# KiCad board ADHW.kicad_pcb (continued)
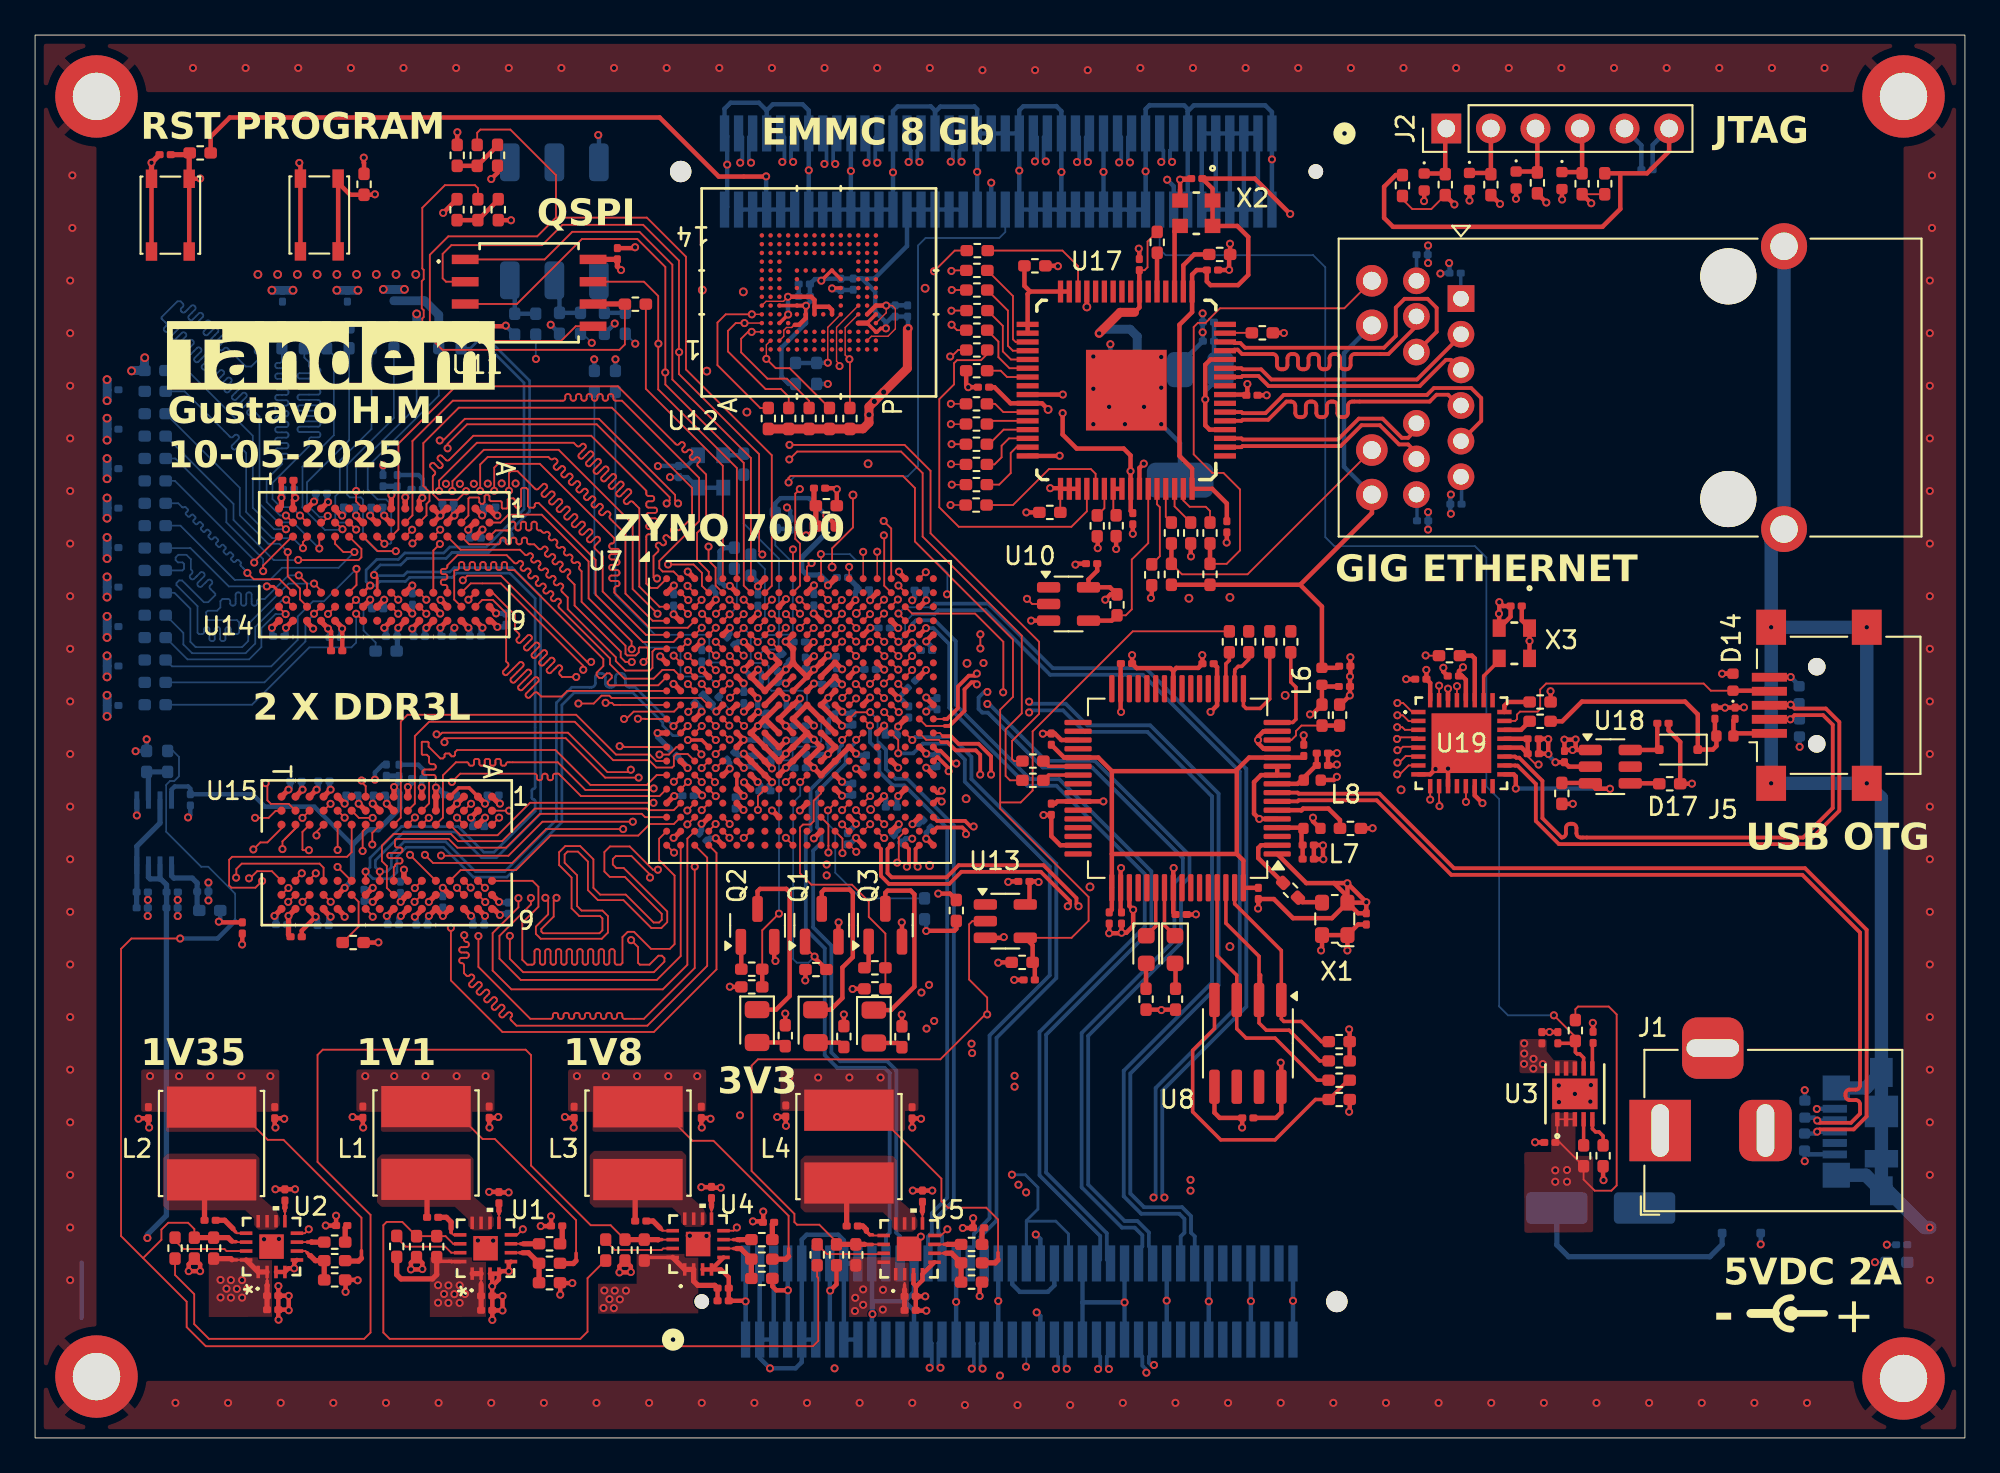
[diagram p0: board, top side]
## Routing (per net, layer and track width the routed paths; a pad name or vN(x,y) marks a point on that pad's centre or on a via; arc(x,y) is an arc through that point) (continued)
  Top w0.254: C103.1 58.14,36.17 58.27,36.3 U9.42 v1(60.89,36.3) ; v1(72.84,35.37) 72.84,35.16 73.16,34.84 73.16,34.76 ; v1(64.9,32.5) 64.88,32.47 U9.56 64.88,29.98 C104.1 ; C108.1 60.54,49.45 60.05,48.95 U10.5 60.05,48.51 61.27,48.51 R85.2 61.31,48.1 v1(61,47.8) ; v1(73.3,27.8) 73.35,27.85 X1.4 X1.1 ; v1(27.13,69.44) 27.12,69.44 R48.2 ; v1(61.9,32.5) 61.88,32.47 U9.50 61.88,30.02 C96.1 ; R29.1 v1(46.1,24.15) ; v1(58.57,58.44) 58.57,57.22 59.37,56.42 62.05,56.42 62.44,56.03 v1(62.44,55.13) 62.44,54.13 U17.57 62.45,52.86 C181.1 ; C106.1 67.38,43.95 U9.20 67.38,41.77 v1(67,41.4) ; C182.1 62.94,65.39 U17.23 62.95,64.47 62.67,64.19 ; R55.2 74.94,18.63 v1(74.9,18.6) ; v1(18.73,73.01) 18.73,72.73 18.75,72.72 R33.2 ; U17.41 v1(58.58,59.5) 58.59,59.49 ; 73.16,37.52 74.02,37.52 74.2,37.7 v1(74.2,37.7) ; v1(63.6,47.9) 63.65,47.95 R166.2 ; v1(57.2,31.7) 57.16,31.74 C117.1 56.68,30.66 U13.5 ; R28.2 77.56,72.02 76.89,71.35 76.89,69.57 77.4,69.07 89.34,69.07 90.36,70.08 90.36,72.12 ; R54.2 R53.2 74.93,23.27 v1(74.9,23.3) ; U19.21 85.06,39.87 C199.1 85.08,39.86 C197.1 84.73,39.36 U19.20 ; R94.1 49.41,24.13 v1(49.4,24.14) ; U12.F5 43.92,63.85 43.55,63.47 43.31,63.47 ; v1(50.79,28.91) 50.8,28.92 52.4,28.92 52.51,29.03 R32.2 ; R90.2 54.92,27.12 v1(54.9,27.1) ; X1.1 74.81,27.8 v1(74.8,27.8) ; X1.1 75.41,29.28 C92.1 ; R45.2 26.36,72.15 v1(26,71.79) ; 90.36,72.12 R30.2 ; 90.36,72.12 91.88,72.12 93.14,73.37 J2.6 ; R65.2 64.22,24.42 v1(64.2,24.4) 64.18,24.42 R58.2 ; 46.44,57.54 R84.2 ; C91.1 70.72,18.25 71.03,18.56 U8.8 71.03,21.36 v1(71,21.4) ; C105.1 61.88,44.14 U9.31 61.88,41.42 v1(61.9,41.4) ; R80.1 v1(42.76,24.2) ; v1(43.9,26.09) 43.91,26.1 R31.2
  Top w0.3: v1(49.2,36.61) 49.21,36.61 U7.T18 ; U7.Y20 50.83,34.17 v1(50.8,34.17) ; U11.8 31.81,67.21 C110.1 33.19,66.81 v1(33.4,66.6) ; v1(46.8,43.82) 46.4,43.42 U7.H14 ; U7.N6 40,39.42 v1(40.39,39.81) U7.M6 ; 54.89,10.14 54.73,9.98 R26.1 ; U7.F18 49.62,45 v1(50,45.37) ; v1(49.2,42.18) 49.2,42.2 U7.J17 ; v1(39.6,48.59) 39.61,48.59 U7.B6 ; v1(49.23,35) 49.2,35 U7.W17 ; v1(43.59,35.78) 44,36.19 U7.U11 ; U7.R15 46.83,38.17 v1(46.8,38.17) ; v1(39.59,41.4) 39.59,41.41 39.97,41.8 U7.K6 ; v1(46.8,35.02) 46.42,35.4 U7.V14 ; v1(50.8,39.02) 50.42,39.4 U7.N19 ; v1(42.8,34.22) 42.8,34.2 ; v1(50.8,47.77) 50.42,47.4 U7.C19 ; U7.M16 48.39,40.59 v1(48.39,40.62) ; v1(40.39,36.61) U7.T6 ; U12.M4 U12.N4 ; v1(40.39,34.22) 40.42,34.22 ; U7.K20 51.2,41.81 v1(50.8,42.22) ; v1(41.2,47) U7.D7
  Top w0.508: 46.44,57.54 47.19,57.54 47.53,57.89 v2(47.53,58.35) 47.53,58.8 v2(47.84,59.11) v2(48.37,59.64) 49.72,60.99 49.72,63.23 v1(49.77,63.27) ; R81.2 R79.2 R77.2 R82.2 R84.2 ; v1(60.65,62.99) 61.85,64.19 62.67,64.19
  In2.Cu w0.254: 58.57,59.49 v1(58.58,59.5) 58.61,59.53 ; 62.44,55.12 v1(62.44,55.13) ; 61.1,47.9 v1(61,47.8) ; 60.64,63 v1(60.65,62.99) ; 72.7,37.58 72.58,37.7
  In2.Cu w0.3: 49.2,35.03 v1(49.23,35) ; v2(47.62,35.83) 47.62,35.83 46.81,35.02 v1(46.8,35.02)
  In2.Cu w0.508: v1(44.81,65.99) 44.31,65.99 43.94,65.63 v1(43.94,64.56) 43.94,63.76 44.43,63.27 v1(48.5,63.27) v1(49.77,63.27) 49.97,63.27 50.38,62.87 50.38,61.19 50.78,60.79 53.63,60.79 54.91,59.5 v1(58.58,59.5) ; 62.44,55.12 63.6,53.96 v1(63.6,47.9) 61.1,47.9 ; v1(58.57,58.44) 58.57,59.49 ; 58.61,59.53 58.61,61.75 59.86,63 60.64,63
  In2.Cu w0.762: 72.7,37.58 72.7,35.51 v1(72.84,35.37) ; v2(47.62,35.83) 47.63,35.84 49.2,35.84 ; v1(74.2,37.7) 70.16,37.7 67,40.86 v1(67,41.4) 66.56,41.84 62.34,41.84 v1(61.9,41.4) 60.89,40.39 v1(60.89,36.3) 60.89,33.51 ; 60.89,33.51 v1(61.9,32.5) v1(64.9,32.5) 68.52,32.5 71.32,35.3 72.54,35.3 72.61,35.37 v1(72.84,35.37) ; 60.89,33.51 59.09,31.7 v1(57.2,31.7) ; 49.2,35.84 v1(49.2,36.61) 49.86,36.61 50.8,35.68 v1(50.8,34.17) ; 49.2,35.84 49.2,35.03 ; v1(72.84,35.37) 72.77,35.3 72.7,35.3 71.92,34.52 71.92,32.59 73.3,31.21 v1(73.3,27.8) v1(74.8,27.8) 74.8,23.4 v1(74.9,23.3) ; v1(54.9,27.1) 53.58,27.1 51.77,28.91 v1(50.79,28.91)
  In3.Cu w0.254: v1(32.1,74.3) 28.51,74.3 v1(26,71.79) ; v1(26,71.79) 24.79,73 18.75,73 v1(18.73,73.01) ; v1(26,71.79) 26,70.57 v1(27.13,69.44)
  In3.Cu w0.3: v1(43.94,64.56) 43.94,64.85 42.2,66.6 v1(33.4,66.6) 29.97,66.6 v1(27.13,69.44)
  In3.Cu w0.762: v1(48.19,20.55) 50.17,20.55 53.22,17.5 68.11,17.5 68.11,17.42 68.52,17.01 69.08,17.01 69.49,17.42 69.49,17.5 82.79,17.5 85.53,14.76 85.53,12.88 ; 85.53,12.88 102.24,12.88 103.92,14.56 103.92,30.36 91.63,42.65 91.63,69.62 93.14,71.14 J2.6 93.16,74.65 ; 85.53,12.88 85.53,10.49 80.35,5.31 43.25,5.31 41.9,3.96
  Bottom w0.076: 39.09,42.32 39.09,42.05 39.59,41.55 v1(39.59,41.4)
  Bottom w0.254: J6.3 41.3,4.56 v1(41.89,3.97) 43.35,3.97 43.7,4.32 J6.9 ; J6.3 J6.5 J6.6 ; J6.3 J6.4 ; J6.9 J6.11 J6.12 ; J6.9 J6.10 43.7,11.31 43.98,11.59 45.78,11.59 46.1,11.27 J6.16 ; J6.17 J6.15 J6.16 ; v1(46.8,43.82) 47.27,43.82 C63.2 ; J2.6 92.2,73.73 C89.1 ; J6.16 J6.18 ; SW2.6 32.14,74.26 v1(32.1,74.3) ; 46.64,66.11 47.14,66.11 47.89,65.36 47.89,64.23 48.5,63.62 v1(48.5,63.27) 48.5,63.57 48.88,63.94 C116.1 C113.1 49.75,63.92 49.75,63.44 49.77,63.43 v1(49.77,63.27) ; 46.64,66.11 45.94,66.11 C115.1 44.93,66.1 v1(44.81,65.99) 44.72,66.08 44.44,66.08 C111.1 C118.1 44.17,64.78 v1(43.94,64.56) 43.94,63.57 42.56,62.19 42.55,62.19 42.55,60.51 42.95,60.11 R89.1 ; 46.64,66.11 47.84,66.11 49.7,67.97 J7.54 J7.46 ; v1(50.79,28.91) 50.79,29.48 R91.2 ; v1(36.19,54.79) C119.1 37.17,54.79 Y1.1 Y1.4 ; 62.79,61.1 U16.1
  Bottom w0.3: C76.2 50.03,45.37 v1(50,45.37) ; C81.2 50.77,47.79 v1(50.8,47.77) ; v1(50.8,42.22) 50.92,42.1 51.32,42.1 C65.2 ; v1(39.6,48.59) 39.31,48.59 39.04,48.86 C51.2 39.04,50.55 39.26,50.77 R66.2 ; C48.2 49.13,36.54 v1(49.2,36.61) ; C62.2 50.8,34.51 v1(50.8,34.17) ; C43.2 50.86,38.95 v1(50.8,39.02) ; C70.2 41.05,39.81 v1(40.39,39.81) ; v1(48.39,40.62) 48.48,40.53 C61.2 ; C53.2 48.94,34.39 49.23,34.68 v1(49.23,35) ; v1(46.8,35.02) 46.8,34.98 C60.2 ; C84.2 49.72,42.7 v1(49.2,42.18) 49.31,42.18 49.77,41.72 C64.2 ; C56.2 47.27,38.17 v1(46.8,38.17) ; C57.2 40.31,36.53 v1(40.39,36.61) ; C41.2 v1(41.2,47)
  Bottom w0.508: U16.1 62.82,61.07 62.82,62.82 62.42,63.22 60.88,63.22 v1(60.65,62.99) ; C178.1 62.79,61.1
  vias: v1(42.98,20.55) v1(44.64,20.55) v1(46.41,20.55)
+5V: length 57.2
  Top w0.102: 11.5,10.15 11.5,10.15 U2.16 ; U4.8 39.82,11.82 v1(40,12) ; v1(52,11.9) 51.64,11.54 U5.8 ; U2.8 15.37,11.67 v1(15.6,11.9) ; U2.2 13.23,9.46 13.23,8.96 ; U1.2 25.42,8.86 ; 49.56,8.84 49.56,8.83 49.56,8.72 ; v1(27.8,11.9) 27.48,11.58 U1.8
  Top w0.2: 11.22,10.16 11.23,10.15 11.5,10.15 ; 24.23,10.05 23.74,10.05 23.72,10.07 23.13,10.07 R7.1 ; 25.42,8.86 25.42,8.75 ; R22.1 34.9,10.29 U4.16 ; 13.23,8.7 13.23,8.96 ; 49.56,8.45 49.56,8.72
  Top w0.254: C20.2 C22.2 ; v1(87.64,39.23) 87.81,39.4 v1(87.81,39.83) 87.8,39.82 v1(87.17,39.82) 87.17,39.82 C194.1 87.23,39.23 v1(87.64,39.23) ; v1(87.64,39.23) U18.1
  Top w0.3: U2.2 U2.1 U2.16 ; R8.1 11.15,10.23 11.22,10.16 ; U4.16 U4.1 U4.2 37.54,8.94 37.78,8.7 38.74,8.7 C22.2 ; R7.1 22.89,9.31 22.65,9.07 20.85,9.07 20.61,9.31 R2.1 ; 25.42,8.75 C2.2 C4.2 ; 13.23,8.7 13.22,8.7 C5.2 C3.2 ; U1.1 U1.2 ; 49.56,8.45 C23.2 C21.2
  In3.Cu w0.254: v1(48.33,8.45) 50.1,10.22 50.92,10.22 52,11.3 v1(52,11.9)
  Bottom w0.3: 7.12,31.92 7.49,31.54 C32.1 7.49,30.24 C24.2 7.49,12.69 6.4,11.6 v1(6.4,11.4) ; 7.12,31.92 U6.6 ; 7.12,31.92 7.08,31.88 6.56,31.88 6.46,31.98 U6.7
  vias: v1(10.57,9.01) v1(10.57,8.01) v1(10.91,8.51) v1(11.16,9) v1(11.16,8) v1(11.5,8.5) v1(11.8,9) v1(11.8,8) v1(12.1,8.51) v1(22.97,8.71) v1(22.97,7.71) v1(23.31,8.21) v1(23.56,8.7) v1(23.56,7.7) v1(23.9,8.2) v1(24.2,8.7) v1(24.2,7.7) v1(24.5,8.21) v1(32.4,7.41) v1(32.45,8.41) v1(32.74,7.91) v1(33.04,8.4) v1(32.99,7.4) v1(33.33,7.9) v1(33.68,8.4) v1(46.75,7.99) v1(46.73,7.24) v1(47.2,8.47) v1(47.2,7.59) v1(48.32,7.32) v1(84.88,22.5) v1(84.88,21.92) v1(84.87,21.33) v1(85.41,21.62) v1(85.4,21.06) v1(85.94,21.32)
+5V_USB: length 83.1
  Top w0.254: 72.11,48.65 73.35,47.41 L6.1 74.24,43.91 C90.1 ; 72.11,48.65 76.2,52.74 76.2,53.79 J4.16 ; 72.11,48.65 R155.2 R156.2
  In3.Cu w0.381: v1(101.56,18.76) 101.56,22.3 101.28,22.58
  In3.Cu w0.762: 101.28,22.58 92.39,31.47 92.39,37.93 87.97,42.35 87.97,49.3 86.75,50.52 78.06,50.52 76.19,52.39 J4.16
  Bottom w0.254: v1(101.56,18.76) 101.57,18.77 J3.1 ; J4.14 74.61,61.86 74.61,55.38 J4.16
+5V_USB_OTG_BUS: length 3.1
  Top w0.254: C192.1 96.81,40.91 L9.2 96.96,40.18 J5.1
+5V_USB_OTG_PHY: length 13.9
  Top w0.254: C193.1 95.75,40.11 95.84,40.03 95.84,39.45 95.63,39.25 D17.1 94.77,41.27 94.05,41.99 88.17,41.99 87.05,40.87 R157.2
+12V: length 33.3
  Top w0.102: U3.3 U3.2 U3.1 86.77,16.95 C10.1 86.91,16.85 R14.2 88.27,14.73 88.9,14.1 89.85,14.1 90.15,14.4 90.15,24.15 89.7,24.6 87.95,24.6 87.8,24.45 R6.1
  Bottom w0.3: D9.1 96.16,11.03 95.46,10.33 87.41,10.33 86.74,11 D1.1
  vias: v1(86.65,15.26) v1(86.65,14.61) v1(87.32,15.28) v1(87.32,14.61)
+VCC: length 28.1
  Bottom w0.254: J7.9 J7.10 ; J7.5 J7.6 ; J7.7 J7.8 ; J7.11 J7.12 J7.4 J7.3 J7.11
GND: length 562.8
  Top w0.076: U12.N2 47.67,62.82 48.61,62.82 49.03,63.24 49.03,64.39 48.86,64.57 v1(48.52,64.57) 48.52,64.16 U12.P4 ; U12.A6 41.67,64.82 42.66,64.82 v1(42.92,65.07)
  Top w0.2: 42.83,47.8 v1(42.8,47.83) ; U7.N4 38,39.8 v1(37.21,39.8) ; U15.B1 24.75,37.07 24.14,37.07 U15.D1 ; U12.C4 42.44,63.57 v1(42.92,64.06) ; v1(42.92,65.07) U12.E7 ; v1(45.42,65.55) 45.45,65.57 U12.K8
  Top w0.254: C159.2 17.51,46.14 v1(17.5,46.15) ; U18.2 87.43,38.28 C194.2 86.66,38.53 v1(86.66,38.53) ; R49.1 24.04,70.64 v1(23.26,69.86) ; C11.2 86.33,23.14 v1(86.32,23.15) 86.31,23.14 C17.2 ; R73.2 39.61,25.72 v1(39.6,25.73) ; v1(53.84,8.09) 53.84,8.75 R27.2 ; C96.2 61.92,28.81 v1(61.93,28.81) ; 50.8,8.07 v1(50.74,8.07) C23.1 ; v1(13.87,8.66) 13.87,8.12 C5.1 ; R160.2 87.65,36.16 v1(87.65,36.16) ; v1(100.07,43.39) 98.87,43.39 J5.5 ; v1(87.77,19.62) 87.33,19.62 ; v1(87.77,19.62) 88.21,19.62 v1(88.65,19.18) ; v1(87.77,19.62) 88.27,20.12 v1(88.68,20.12) ; 87.33,19.62 v1(86.86,19.15) ; 87.33,19.62 v1(86.85,20.1) ; v1(30.7,17.7) 30.72,17.72 C35.1 30.25,18.24 v1(30.2,18.3) ; D3.2 79.18,70.54 ; v1(13.88,6.74) 13.86,6.76 C3.1 ; SW1.2 SW1.2 15.12,72.64 v1(15.06,72.71) ; Q3.2 49.41,29.39 v1(49.4,29.4) ; v1(6.5,17.7) 6.46,17.74 C16.1 5.93,18.23 v1(5.9,18.2) ; v1(86.38,42.58) 86.39,42.57 R159.2 ; R25.2 42.03,9.09 42.03,8.64 42.25,8.42 v1(42.91,8.42) ; v1(42.3,18.3) 42.32,18.32 C39.1 42.79,17.81 v1(42.8,17.8) ; U9.13 70.03,39.3 69.71,39.62 v1(69.71,39.8) 69.71,39.98 70.03,40.3 U9.15 ; U12.G5 44.42,64.5 ; 44.42,64.5 45.25,64.5 45.42,64.32 U12.J5 ; 44.42,64.5 44.42,64.89 44.25,65.07 v1(42.92,65.07) ; Q2.2 42.13,27.27 v1(42.2,27.2) ; C182.2 62.94,67.79 v1(62.91,67.82) ; v1(18.7,17.7) 18.68,17.72 C18.1 18.14,18.25 v1(18.1,18.3) ; C3.1 C5.1 ; C3.1 14.43,7.31 v1(14.46,7.28) v1(14.46,8.1) 14.45,8.11 C5.1 ; C4.1 26.07,7.27 v1(26.64,7.27) v1(26.64,8.09) 26.07,8.09 C2.1 ; C4.1 C2.1 ; C4.1 v1(26.06,6.73) ; v1(26.05,8.65) 26.05,9.25 U1.3 U1.4 ; v1(26.05,8.65) 26.05,8.11 C2.1 ; v1(26.05,8.65) 26.44,9.04 U1.4 ; U12.N5 U12.P6 v1(48.52,64.57) ; v1(61.93,28.81) 62.2,28.81 62.59,29.2 v1(62.59,30.12) 62.38,30.33 U9.51 ; v1(61.93,28.81) 61.9,28.78 v1(61.22,28.78) 61.22,28.78 C99.2 ; v1(88.79,23.67) 88.81,23.65 C12.2 ; C183.2 v1(70.2,59.46) ; v1(38,17.7) 37.97,17.72 C38.1 38.45,18.24 v1(38.5,18.2) ; v1(74.97,44.52) C90.2 74.97,43.44 v1(74.95,43.42) C93.2 74.95,42.35 v1(74.94,42.34) 74.42,41.82 R51.1 ; v1(29.41,12.64) 29.41,12.09 C8.1 29.4,12.08 v1(28.82,12.08) ; v1(55.22,28.56) 55.18,28.52 U13.3 ; 64.88,43.73 64.71,43.9 62.79,43.9 C105.2 v1(62.53,44.64) ; 64.88,43.73 U9.25 ; 64.88,43.73 65.05,43.91 66.3,43.91 C106.2 66.54,44.63 v1(66.53,44.64) ; R124.2 19.56,28.25 v1(19.57,28.26) ; v1(37.97,14.3) 38.54,14.3 C25.1 38.6,14.27 v1(39.08,14.27) ; X1.2 73.92,29.64 71.7,29.64 70.61,30.73 C100.2 69.72,30.2 v1(69.71,30.19) ; X1.2 74.81,31.62 v1(74.8,31.63) ; X1.2 75.41,29.92 C92.2 v1(75.88,30.55) ; X1.2 75.85,30.52 v1(75.88,30.55) ; X1.2 74.81,30.87 74.04,31.64 ; 50.07,9.33 50.07,8.8 50.23,8.64 ; v1(29.93,8.17) 29.93,8.84 R10.2 29.94,8.83 v1(30.62,8.83) ; v1(60.57,50.74) 60.57,51.38 R147.1 ; U9.11 U9.10 69.88,37.8 69.48,37.4 69.48,35.6 v1(69.78,35.3) U9.5 ; v1(14.2,18.2) 14.17,18.23 C19.1 13.66,17.74 v1(13.7,17.7) ; R144.1 v1(56.5,52.78) ; C195.2 80.27,43.7 v1(80.27,43.92) ; R76.1 45.7,54.1 v1(45.7,54.1) 45.64,54.16 C107.2 ; U10.3 v1(56.78,46.61) ; v1(6.64,72.72) 6.64,67.65 ; v1(74.2,39.05) C98.2 C95.2 74.15,38.35 v1(74.2,38.4) ; C117.2 55.47,31.74 ; 27.12,10.05 27,9.93 v1(27,9.51) 26.58,9.51 U1.4 ; v1(71.18,63.01) 71.17,63.02 R148.2 ; v1(57.48,35.52) 57.49,35.53 C103.2 57.92,34.31 58.44,33.8 U9.47 ; U4.3 U4.4 ; U4.4 39.09,9.61 39.54,9.16 C22.1 C20.1 40.47,7.82 v1(40.5,7.79) ; U4.4 38.6,9.65 ; U4.4 U4.5 ; U9.35 58.49,39.8 58.12,40.17 C101.2 57.45,40.17 v1(57.44,40.16) ; D6.2 87.03,70.63 ; v1(65.27,71.76) 65.32,71.81 C190.2 65.84,71.76 v1(65.27,71.76) ; v1(65.27,71.76) X2.2 65.27,71.19 ; v1(51.14,14.1) C26.1 v1(50.03,14.1) ; C23.1 50.2,8.61 50.23,8.64 ; C23.1 C21.1 50.22,7.25 v1(50.8,7.25) ; v1(26.83,63.43) 26.8,63.39 U11.4 ; v1(50,17.7) 49.99,17.71 C36.1 50.48,18.22 v1(50.5,18.2) ; v1(76.24,34.77) 76.23,34.76 R57.1 ; R153.2 65.87,50.28 v1(65.88,50.27) ; Q1.2 45.79,29.39 v1(45.8,29.4) ; U2.3 U2.4 14.45,9.67 v1(14.77,9.67) 14.77,9.99 U2.5 ; R164.2 45.68,8.76 v1(45.32,8.4) ; 50.23,8.64 50.58,8.99 50.58,9.33 U5.5 ; v1(97.4,41.66) 97.39,41.65 C192.2 96.33,41.65 v1(96.32,41.64) 96.32,41.65 C193.2 95.66,41.74 ; 74.04,31.64 72.46,31.64 U9.1 ; 74.04,31.64 74.79,31.64 v1(74.8,31.63) ; C196.2 78.15,43.27 v1(78.15,43.27) ; v1(26.99,14) 26.46,14 C6.1 26.43,14.03 v1(25.88,14.03) ; v1(75.88,30.55) v1(74.8,31.63) ; v1(67.92,51.06) 67.93,51.07 C186.2 ; v1(53.47,12.53) 53.47,12 C28.1 53.44,11.97 v1(52.88,11.97) ; v1(34.2,67.9) 34.15,67.85 C110.2 ; R46.1 24.06,74.45 v1(24.07,74.46) ; R143.1 58.28,66.84 v1(58.3,66.82) ; C141.2 15.2,28.92 v1(16,29.72) ; v1(11.8,28.14) 11.81,28.15 C157.2 ; C184.2 68.05,66.6 v1(68.06,66.61) 68.06,67.43 R151.2 68.12,68.09 v1(68.11,68.1) ; v1(17.16,12.67) C9.1 v1(16.57,12.11) ; U7.J10 U7.H11 ; U7.G16 48.39,43.81 v1(48.4,43.81) ; D14.2 96.44,43.58 96.44,43.58 v1(96.16,43.58) ; R146.1 53.07,60.04 v1(53.19,59.92) C185.2 ; 61.62,50.73 R145.1 ; v1(72.31,40.07) 72.31,40.06 C102.2 ; v1(59.3,49.8) 59.36,49.86 C108.2 ; v1(62.57,51.56) C181.2 ; v1(26.4,18.3) 26.36,18.25 C15.1 25.88,17.72 v1(25.9,17.7) ; D4.2 v1(81.76,70.56) ; U19.11 v1(80.54,38.17) 80.54,38.86 U19.33 v1(79.83,38.14) 79.52,37.84 U19.8 ; v1(41.5,12.91) 41.5,12.31 41.48,12.29 41.43,12.35 v1(40.92,12.35) ; R13.2 89.38,14.83 89.4,14.8 v1(89.4,14.7) ; v1(94.44,37.31) 94.43,37.3 R161.2 93.77,39.69 93.11,40.35 C198.2 ; v1(13.7,14.18) 14.23,14.18 C7.1 14.24,14.18 v1(14.82,14.18) ; 56.34,26.12 v1(55.81,26.12) ; v1(68.8,17.7) 68.81,17.7 C91.2 67.53,18.25 67.22,18.55 U8.5 ; 65.65,29.85 66.16,29.85 v1(66.17,29.86) ; U7.J12 U7.H13 45.6,43.36 v1(46,42.97) ; v1(46.6,25.6) 46.61,25.61 R92.2 ; C10.2 85.51,16.85 v1(85.5,16.86) ; v1(18.39,8.99) 18.37,9.01 R12.2 17.7,8.99 v1(17.7,8.33) ; D5.2 84.42,70.67 ; v1(73.41,33.79) 73.41,33.02 v1(73.43,33) 73.42,33.01 C97.2 C94.2 73.39,33.81 v1(73.41,33.79) ; 86.25,39.01 v1(86.26,39) 86.24,39.02 C197.2 85.71,39.03 C199.2 86.23,39.87 v1(86.25,39.85) 86.25,39.01 ; C200.2 83.68,47.44 v1(83.46,47.66) 83.46,47.02 v1(83.44,47) 83.45,46.99 X3.2 84.1,46.83 C200.2 ; 22.05,9.61 v1(22.07,9.63) 22.07,9.98 R162.2 21.42,9.99 v1(21.42,9.61) 22.05,9.61 ; v1(33.96,9.46) 33.96,9.78 R163.2 33.31,9.8 v1(33.31,9.44) 33.94,9.44 v1(33.96,9.46) ; 8.76,9.91 R165.2 9.41,9.9 v1(9.41,9.51) v1(8.76,9.51) 8.76,9.91
  Top w0.3: U7.V9 42.02,35.78 v1(42,35.78) ; v1(50.78,43.79) 50.4,43.41 U7.H19 ; 23.05,52.6 23.45,53 ; v1(21.64,29.72) 22.05,30.12 U15.F9 ; v1(40.39,39.02) 40.39,39 U7.P7 U7.R8 v1(42.01,37.39) ; U7.T7 v1(40.41,37.39) ; U7.D17 49.2,46.2 v1(49.2,46.18) ; U15.M9 17.64,29.77 v1(17.64,29.72) ; v1(17.64,36.17) U15.M1 ; v1(20.85,29.77) 21.25,30.16 U15.G9 ; U7.C14 46.4,47.42 v1(46.76,47.78) ; v1(41.2,40.6) U7.L8 ; U7.L8 U7.M7 U7.N8 U7.P9 42.8,38.99 v1(42.8,39.02) 43.17,39.4 U7.N10 U7.M11 ; U7.L8 U7.M9 42.4,40.22 ; U7.L8 U7.K9 ; U7.F3 37.6,45.02 v1(37.99,45.41) ; U7.M11 44.38,39.82 v1(44.39,39.82) 44.39,39.8 U7.N12 U7.P11 v1(44.39,38.21) U7.R12 U7.P13 U7.N14 46.42,39.4 v1(46.8,39.02) ; U7.M11 U7.L10 U7.K11 U7.L12 U7.M13 ; U15.G1 21.25,36.62 21.25,36.62 v1(21.25,37.12) ; v1(26.5,29.82) 26.14,30.17 U15.A9 ; v1(14.44,36.97) U15.T1 ; 17.45,52.6 17.05,53 ; U15.B3 v1(25.64,35.37) ; U14.D8 v1(23.11,47.79) ; U14.G9 20.7,46.2 ; 6.64,71.8 v1(6.64,72.72) C109.2 ; v1(50.01,35) 50.01,35.01 U7.V19 ; v1(19.9,47.8) U14.J8 ; v1(48.39,36.6) 48.39,36.57 48.02,36.2 U7.U16 ; 44,48.19 U7.B11 44,48.22 v1(44.39,48.62) ; v1(45.19,44.62) 44.8,44.22 U7.G12 44.42,43.82 v1(44.39,43.82) 44,43.42 U7.H11 U7.G10 ; C158.2 14.04,54.56 v1(14.04,53.61) 14.04,53.14 U14.T1 ; U7.E20 51.17,45.8 v1(50.8,45.42) ; v1(40.38,35.81) 40,36.19 U7.U6 ; v1(41.21,43.81) U7.H7 U7.J8 ; U7.J8 U7.H9 42.4,43.42 v1(42.8,43.82) 42.82,43.82 U7.G10 ; U7.J8 41.6,42.61 ; v1(49.24,49.4) 49.24,49.36 U7.A18 ; U15.D8 23.25,31.37 v1(23.24,31.37) ; U7.J2 36.8,42.61 36.42,43 v1(36.39,43) ; v1(41.2,48.57) 41.2,48.6 U7.A8 ; v1(38.8,34.2) U7.Y5 ; U7.W2 36.42,34.22 v1(36.39,34.22) ; 19.05,52.6 19.45,52.2 U14.J2 ; U7.T13 45.61,37 v1(46,36.62) ; 15.5,46.61 15.5,46.51 15.85,46.16 ; U15.E2 U15.E1 22.84,37.08 v1(22.85,37.09) ; 21.9,46.56 21.5,46.16 ; U7.E10 42.81,45.41 v1(42.78,45.41) 42.79,45.41 U7.F10 U7.G10 ; U7.M10 v1(42.79,40.61) U7.L9 U7.K10 43.22,41.8 v1(43.59,42.17) ; U7.K7 40.42,41.42 v1(40.4,41.42) ; v1(19.25,30.57) U15.J8 ; 39.2,41.81 U7.K5 39.2,41.79 v1(38.83,41.42) ; U14.G1 v1(21.1,53.64) ; U14.E1 v1(23.1,52.6) U14.E2 22.65,52.25 ; U15.B9 v1(25.64,29.77) ; v1(38.02,36.64) 37.66,37 U7.T3 ; v1(46.01,41.41) 45.99,41.41 U7.K13 ; U14.E8 v1(23.09,47.01) 23.11,47.01 ; 25.05,51.4 U14.B3 25.45,51.75 25.45,51.8 ; v1(42.8,47.83) 42.8,47.82 42.4,47.41 U7.C9 ; v1(50.8,38.22) 51.2,37.81 U7.R20 ; U15.P1 v1(16.05,36.97) ; v1(46.8,34.22) 47.2,33.81 U7.Y15 ; v1(47.59,42.22) 47.2,41.82 U7.K15 ; v1(21.5,47.01) 21.11,47.4 U14.G8 ; U15.G8 21.19,30.97 21.01,30.79 21.01,30.74 v1(20.84,30.57) ; v1(36.41,48.61) U7.B1 ; 13.9,46.61 13.5,46.21 ; v1(40.4,45.39) 40.79,45 U7.F7 ; v1(49.2,40.57) 49.2,40.6 U7.L18 ; U15.T9 v1(13.64,29.77) ; 26,46.61 26.35,46.26 ; v1(16,29.72) 15.65,30.07 U15.P9 ; v1(44.39,34.19) U7.W12 ; v1(35.48,40.2) U7.M1 ; U14.P1 v1(15.9,53.4) ; v1(19.25,36.17) U15.J2 ; 25.05,53 25.09,53 v1(25.48,52.61) ; U15.E8 v1(22.44,30.57) ; v1(38.8,47.8) U7.C4 ; v1(49.19,38.22) 48.81,38.6 U7.P17 ; 17.1,46.61 17.5,46.21 ; U15.B1 v1(25.64,36.17) ; 25.1,46.61 25.5,46.21
  Bottom w0.102: 20.65,45.69 C149.2 ; R123.2 20.55,44.87 20.54,44.86 ; R1.2 v1(104.87,10.02) ; C1.2 v1(105.55,11.02)
  Bottom w0.254: v1(86.85,20.1) 88.66,20.1 v1(88.68,20.12) ; v1(80.6,67) 80.62,66.98 C189.2 80.13,66.43 v1(80.1,66.4) ; v1(35.5,55.42) 35.51,55.43 C119.2 37.17,55.43 Y1.2 ; J6.26 50.1,8.32 49.57,7.79 ; 79.18,70.54 v1(79.17,70.53) ; J6.67 v1(66.9,7.79) J6.68 ; 100.52,43.02 100.44,43.02 v1(100.07,43.39) ; J7.32 v1(58.5,72.19) J7.31 58.5,75.66 58.21,75.95 58.2,75.94 56.33,75.94 56.1,75.71 J7.37 ; J7.32 J7.34 J7.36 J7.38 v1(56.1,72.27) J7.37 ; J7.32 J7.30 J7.28 J7.26 ; J7.13 65.7,71.76 v1(65.27,71.76) 65.64,71.76 65.7,71.7 J7.14 ; J7.13 65.7,75.65 66.04,75.99 70.1,75.99 70.11,76 70.5,75.61 J7.1 v1(70.5,72.91) J7.2 ; J7.13 65.7,75.79 65.5,75.99 63.55,75.99 63.53,76.01 63.3,75.78 J7.19 v1(63.3,72.23) J7.20 J7.22 J7.24 J7.26 ; J7.37 J7.39 J7.41 J7.43 ; 49.57,7.79 47.73,7.79 v1(47.73,7.06) ; 49.57,7.79 50.1,7.26 J6.25 ; C178.2 v1(61.29,62.37) ; J6.20 47.7,7.09 v1(47.73,7.06) ; J6.2 v1(40.5,7.79) J6.1 ; v1(62.1,7.73) J6.55 ; v1(62.1,7.73) 59.71,7.73 59.7,7.72 ; v1(62.1,7.73) J6.56 ; J7.61 v1(46.5,72.25) J7.62 ; J6.73 v1(69.3,7.8) J6.74 ; v1(79.4,51.8) 79.4,52.29 C187.2 79.41,52.79 v1(79.4,52.8) ; R41.1 32.45,62.96 v1(33.04,63.55) ; v1(9.88,30.65) C29.1 v1(9.88,31.67) ; J7.43 53.7,75.77 53.54,75.93 53.53,75.92 51.6,75.92 51.3,75.62 J7.49 51.3,75.69 51.06,75.93 49.17,75.93 48.9,75.66 J7.55 v1(48.9,72.17) J7.56 J7.58 J7.60 J7.62 ; J7.43 v1(53.7,72.2) J7.44 ; U16.2 65.27,61.25 C180.2 66.56,63.04 v1(66.55,63.05) 66.55,63.62 C179.2 66.56,64.12 v1(66.55,64.13) ; v1(31.87,61.51) 31.88,61.5 R122.1 ; v1(47.73,7.06) 47.7,7.03 J6.19 ; v1(48.52,64.57) 49.02,64.57 C116.2 C113.2 ; C155.2 19.83,55.45 v1(19.84,55.46) ; J2.5 91.56,73.71 C89.2 ; J6.31 v1(52.5,7.76) J6.32 ; J6.80 v1(71.7,7.82) J6.79 ; v1(86.26,39) 86.26,38.93 v1(86.66,38.53) ; 41.7,75.7 41.26,76.14 39.64,76.14 39.3,75.8 J7.79 39.45,74.24 v1(39.45,72.61) 39.45,70.2 J7.80 ; 41.7,75.7 42.05,76.05 43.75,76.05 44.1,75.7 J7.67 v1(44.1,72.29) J7.68 J7.66 J7.64 J7.62 ; 41.7,75.7 J7.73 ; C73.1 43.04,52.88 v1(42.86,53.06) ; 59.7,7.72 J6.49 ; 59.7,7.72 J6.50 ; J7.26 v1(60.9,72.2) J7.25 ; 84.42,70.67 v1(84.41,70.66) ; v1(100.58,39.41) 100.57,39.42 D16.2 ; C32.2 8.13,30.69 v1(8.13,30.68) 8.13,30.68 C24.1 8.13,29.76 v1(8.13,29.76) ; v1(48.4,43.81) 47.94,43.81 C63.1 ; 87.03,70.63 v1(87.04,70.62) ; v1(57.09,7.16) 57.3,6.95 J6.43 ; J6.62 v1(64.5,7.83) J6.61 ; v1(5.73,39.16) 5.74,39.17 R20.1 6.36,39.84 v1(6.36,39.84) ; C88.1 43.94,38.22 C82.1 ; J6.8 42.9,8.43 v1(42.91,8.42) 42.9,8.41 J6.7 ; v1(100.87,15.78) 100.86,15.79 D8.2 101.08,16.17 J3.5 ; J6.44 57.3,11.34 v1(57.04,11.6) ; v1(29.39,63.48) 29.89,62.98 R42.1 ; v1(26.83,63.43) 27.34,62.92 R43.1 ; C55.1 45.24,40.95 C44.1 ; v1(80.7,53.8) 80.67,53.77 C188.2 80.67,52.73 v1(80.7,52.7) ; J6.14 J6.13 ; v1(8.72,35.39) 8.85,35.51 C33.1 ; v1(79.4,67) 79.38,67.02 C191.2 79.38,67.98 v1(79.4,68) ; v1(42.92,64.06) 42.92,64.07 v1(42.92,65.07) 42.94,65.09 C118.2 C111.2 ; C112.2 46.62,65.46 C115.2 45.51,65.46 v1(45.42,65.55) ; C177.2 19.82,38.4 19.37,37.95 v1(19.37,37.54) ; D7.2 100.88,19.82 v1(100.87,19.83) ; J6.38 v1(54.9,7.81) J6.37 ; v1(6.42,29.76) 6.43,29.77 6.43,30.23 6.43,30.23 v1(6.43,30.68) 6.43,30.68 6.43,31.13 ; U16.2 65.26,54.63 65.26,56.74 v1(64.19,57.81)
  Bottom w0.3: v1(26.35,46.25) 26.72,46.25 C134.2 ; C70.1 41.71,39.79 C45.1 42.48,39.02 v1(42.8,39.02) ; C62.1 50.38,35 v1(50.01,35) ; C172.2 25.6,29.72 v1(25.64,29.77) ; v1(36.41,48.61) 36.41,48.12 C83.1 ; C139.2 17.43,46.08 v1(17.5,46.15) ; C164.2 16.1,29.61 v1(16,29.72) ; v1(14.04,53.61) 14.12,53.69 C138.2 ; v1(22.85,37.09) 22.94,37.09 C171.2 ; v1(44.39,38.21) 44.38,38.21 C88.1 ; v1(37.99,45.41) 38,45.4 C78.1 ; C74.1 45.98,42.98 v1(46,42.97) ; v1(50.8,45.42) 51.13,45.08 C76.1 ; v1(44.39,39.82) 44.38,39.8 C67.1 ; C162.2 13.73,29.68 v1(13.64,29.77) ; C165.2 17.74,36.26 v1(17.64,36.17) ; C168.2 21.73,29.63 v1(21.64,29.72) ; v1(17.5,52.6) 17.6,52.7 C142.2 ; C58.1 46.1,41.32 v1(46.01,41.41) 45.7,41.41 C44.1 ; C169.2 21.49,37.36 v1(21.25,37.12) ; v1(25.64,35.37) 25.6,35.32 C173.2 ; C85.1 37.56,36.64 v1(38.02,36.64) ; R78.2 41.2,48.77 v1(41.2,48.57) C41.1 ; C160.2 19.19,30.62 v1(19.25,30.57) ; C50.1 42.72,43.74 v1(42.8,43.82) 42.8,44.04 C52.1 ; v1(43.59,42.17) 43.53,42.1 C80.1 ; v1(41.2,40.6) 41.27,40.67 C40.1 ; v1(44.39,43.82) 44.36,43.86 C71.1 ; v1(21.5,46.15) 21.58,46.07 C147.2 ; v1(46,36.62) 46.55,36.62 C54.1 ; C167.2 19.25,36.6 v1(19.25,36.17) ; C65.1 51.33,41.63 51,41.63 v1(50.8,41.42) ; C152.2 25.6,52.73 v1(25.48,52.61) ; v1(42.01,37.39) 41.84,37.22 41.84,36.98 C59.1 ; C133.2 40.48,38.93 v1(40.39,39.02) 40.31,38.94 40.05,38.94 C137.2 ; v1(13.5,46.2) 13.5,45.78 C143.2 ; v1(26.5,29.82) 26.56,29.89 C174.2 ; v1(42.78,45.41) 43.22,45.41 C47.1 ; C150.2 23.22,52.72 v1(23.1,52.6) ; v1(35.48,40.2) 35.48,39.98 C69.1 ; v1(38.8,47.8) 38.8,48.2 C51.1 ; 38.14,42.36 38.63,41.86 38.63,41.86 38.63,41.62 v1(38.83,41.42) ; C43.1 51.32,38.22 v1(50.8,38.22) ; v1(46.8,39.02) 46.89,38.93 C56.1 ; v1(25.5,46.2) 25.42,46.12 C151.2 ; C175.2 25.79,36.31 v1(25.64,36.17) ; 20.65,45.69 20.65,44.91 R123.2 ; v1(38.8,34.2) 38.45,34.2 C72.1 ; v1(19.1,52.6) 19.17,52.67 C146.2 ; v1(23.24,31.37) C170.2 ; v1(15.9,53.4) 16,53.5 C140.2 ; C81.1 50.13,47.9 v1(50,47.77) ; C166.2 20.74,29.66 v1(20.85,29.77) ; v1(44.39,48.62) 44.39,48.12 C86.1 ; v1(23.9,46.2) 23.81,46.11 C153.2 ; C149.2 20.64,46.13 v1(20.7,46.2) ; v1(42.79,40.61) C79.1 ; C136.2 21.51,47.02 v1(21.5,47.01) ; v1(48.39,36.6) 48.49,36.5 C48.1 ; C156.2 20.82,30.59 20.84,30.57 v1(20.84,30.57) ; v1(5.8,35.5) U6.1 ; C77.1 41.4,43.13 41.4,43.62 v1(41.21,43.81) ; C57.1 40.3,35.89 v1(40.38,35.81) ; C75.1 48.73,46.18 v1(49.2,46.18) ; v1(45.19,44.62) 45.28,44.54 C49.1 ; v1(25.5,51.8) 25.41,51.71 C144.2 ; C61.1 49.12,40.49 v1(49.2,40.57) 49.2,40.58 49.7,41.08 C64.1 ; v1(46.76,47.78) 46.76,48.24 C68.1 46.89,48.52 C42.1 ; v1(21.1,53.64) 21.1,53.74 C148.2 ; v1(40.4,45.39) 40.05,45.39 C87.1 ; v1(16.05,36.97) 16.14,37.06 C163.2 ; 36.4,43.01 v1(36.39,43) ; C60.1 46.42,33.85 v1(46.8,34.22) ; C53.1 49.63,34.18 49.98,34.18 v1(50,34.17) ; C145.2 19.9,47.33 v1(19.9,47.8) ; C132.2 v1(40.4,41.42) ; C161.2 14.55,37.07 v1(14.44,36.97) ; C84.1 50.2,43.21 v1(50.78,43.79)
  Bottom w0.5: v2(4.1,59.15) 4.11,59.16 C122.2 4.11,60.34 v2(4.1,60.35) ; v2(4.1,58.15) 4.11,58.14 C125.2 4.11,56.91 v2(4.1,56.9) ; v2(13.5,65.45) 13.51,65.44 C121.2 14.69,65.44 v2(14.7,65.45) ; v2(4.1,45.65) 4.11,45.66 C120.2 4.11,46.84 v2(4.1,46.85) ; v2(4.1,53.6) 4.11,53.59 C123.2 4.11,52.46 v2(4.1,52.45) ; v2(4.1,44.6) 4.11,44.59 C124.2 4.11,43.41 v2(4.1,43.4) ; v2(17.2,65.45) 17.21,65.44 C129.2 18.39,65.44 v2(18.4,65.45) ; v2(4.1,47.95) 4.11,47.96 C131.2 4.11,49.09 v2(4.1,49.1) ; R97.1 v2(21.75,64.1) ; v2(21.05,65.5) 21.04,65.49 C127.2 19.86,65.49 v2(19.85,65.5) ; v2(4.1,42.35) 4.11,42.34 C128.2 4.11,41.16 v2(4.1,41.15) ; v2(5.5,60.85) 5.52,60.87 R95.1 6.23,61.58 v2(6.25,61.6) ; v2(4.1,55.85) 4.11,55.84 C130.2 4.11,54.71 v2(4.1,54.7) ; v2(4.1,51.35) 4.11,51.34 C126.2 4.11,50.16 v2(4.1,50.15)
  vias: v1(13.05,11.33) v1(13.9,11.35) v1(15.85,46.15) v1(23.42,54.41) v1(24.21,54.41) v1(25.01,54.41) v1(25.24,11.26) v1(25.8,54.42) v1(26.11,11.25) v1(26.6,54.43) v1(27.39,54.43) v1(37.32,11.53) v1(38.27,11.52) v1(50.49,11.48) v1(55.47,31.71) v1(60.32,61.67) v1(60.32,59.83) v1(60.32,57.81) v1(61.22,58.8) v1(61.62,50.69) v1(62.12,57.81) v1(63.21,58.8) v1(64.19,61.64) v1(64.19,59.89) v2(12.7,66.35) v2(13.83,66.35) v2(14.95,66.35) v2(16.08,66.35) v2(17.2,66.35) v2(18.33,66.35) v2(19.45,66.35) v2(20.58,66.35) v2(21.7,66.35) v2(38.03,65.46) v2(38.29,60.84) v2(40.37,65.36) v2(40.57,58.5) v2(47.48,55.55) v2(50.73,65.56) v2(50.99,32.64) v2(53.12,44.17) v2(53.07,36.45) v2(60.13,31.42) v2(65.77,47.88) v2(68.11,47.93) v2(68.11,28.02) v2(71.26,42.35) v2(77.86,36.96)
